# Allegro board 20210324_notecarrier-m2-al_v20.brd (continued)
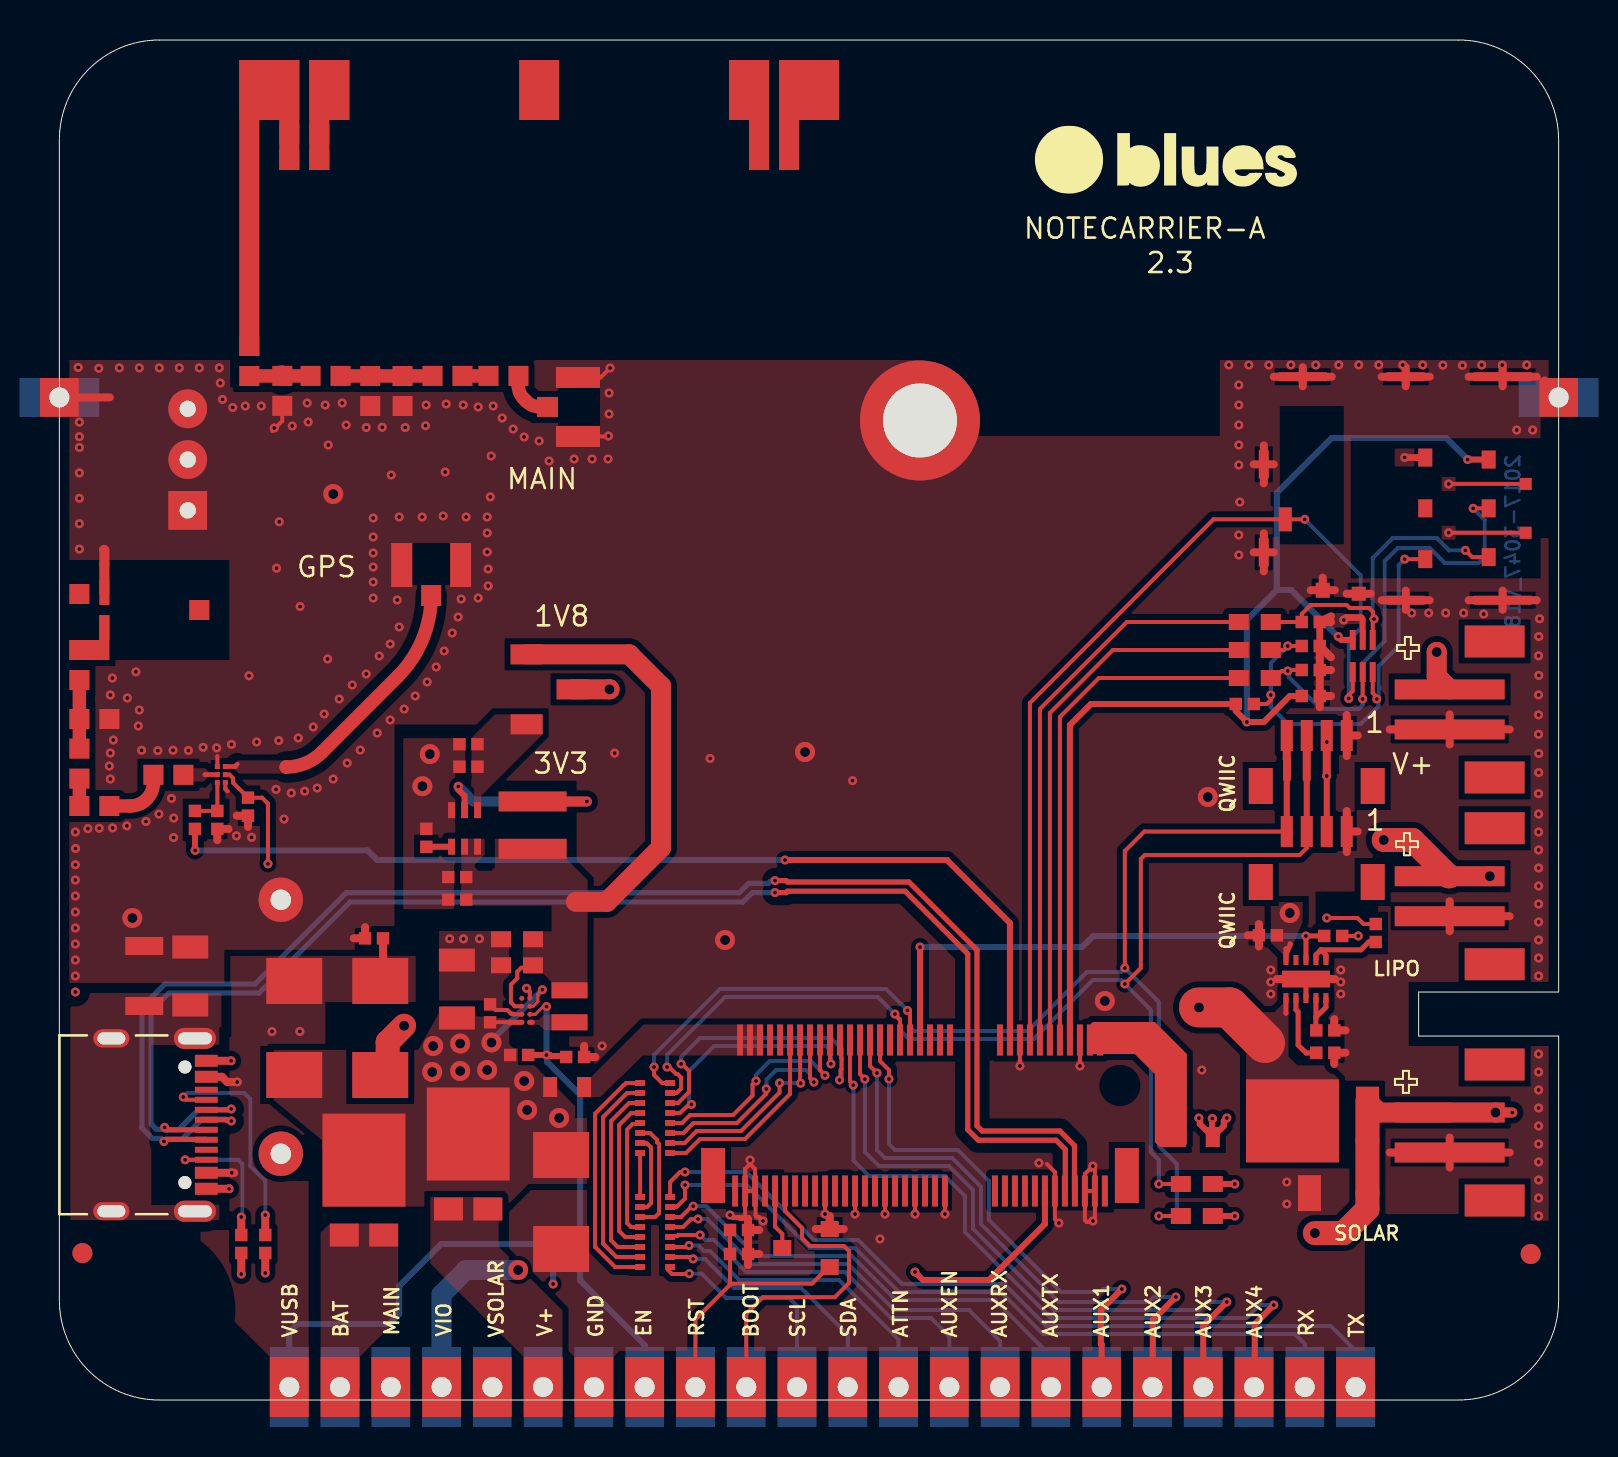
[diagram p0: board, top side]
## Routing (per net, layer and track width the routed paths; a pad name or vN(x,y) marks a point on that pad's centre or on a via; arc(x,y) is an arc through that point) (continued)
N17096550: length 17.1
  TOP w0.2: v1(70.33,42.48) 70.67,42.14 J5.3 ; R14.2 C18.1 62.15,39.3 62.6,39.75 64.4,39.75 64.55,39.6 65.52,39.6 65.72,39.4 65.72,39.12 65.65,39.05 ; v1(65.77,39.05) 65.7,39.05 65.65,39.05 ; TVS2.1 65.7,39 65.65,39.05 65.65,39.05
  BOTTOM w0.2: v1(70.33,42.48) 69.52,42.48 68.9,43.1 66.7,43.1 65.7,42.1 65.7,39.05 v1(65.77,39.05)
N17180171: length 10.8
  TOP w0.3: v1(19.96,30.68) 19.96,30.51 20.27,30.2 U2.2
  TOP w0.5: 23.67,29.93 L1.1 v1(26.39,29.93)
  BOTTOM w0.5: v1(26.39,29.93) 20.71,29.93 v1(19.96,30.68)
N17180221: length 0.1
  TOP w0.25: U1.A1 23.66,18.89
N17180308: length 1.3
  TOP w0.3: U2.4 18.36,27.66 R4.2
N17224639: length 7.8
  TOP w0.2: DS5.1 16.05,16.3
  TOP w0.25: U3.1 61.36,19.34 61.36,19.34
  TOP w1.2: v2(17.24,18.71) 16.42,17.89 16.42,16.72 16.05,16.35 16.05,16.3
  TOP w2: 60.31,17.84 58.53,19.63 v2(57.01,19.63)
N17224757: length 3.5
  TOP w0.25: R9.2 62.86,17.35 62.37,17.35 61.97,17.75 61.97,19.4 61.86,19.51 U3.2
N17224773: length 2.8
  TOP w0.25: 62.88,19.16 62.86,19.14 62.86,18.5 R10.2 ; 62.88,19.16 63.36,19.64 U3.5 ; 62.88,19.16 62.86,19.17 U3.4
N17224777: length 4.1
  TOP w0.25: 63.11,22.51 63.36,22.26 U3.6 ; 63.11,22.51 62.86,22.26 U3.7 ; 63.11,22.51 65.11,22.51 65.5,22.9 R8.1
N17281739: length 3.5
  TOP w0.68: ANT1.2 L6.1 C25.2
N17321884: length 11.9
  TOP w0.2: J11.A5 6.34,15.01 v1(6.2,15.15)
  TOP w0.4: R33.1 v1(10.3,9.25)
  BOTTOM w0.2: v1(10.3,9.25) 10.3,10.95 9.55,11.7 9.55,15.05 9.25,15.35 6.4,15.35 v1(6.2,15.15)
N17321887: length 7.6
  TOP w0.2: J11.B5 v1(6.29,12.01)
  TOP w0.4: R32.1 v1(9.1,9.15)
  BOTTOM w0.2: v1(9.1,9.15) 9.15,9.2 9.15,11.8 8.94,12.01 v1(6.29,12.01)

## Copper pours and planes (outline as drawn; the poured copper is in the pictures)
+1V8 on TOP: 19.84,28.06 25.36,28.06 25.37,28.06 25.37,27.06 25.37,27.06 26.43,25.99 26.43,25.96 26.43,25.95 26.43,23.21 26.42,23.21 26.42,20.09 24.62,20.09 24.62,20.89 24.19,21.34 23.19,21.34 23.19,23.43 24.63,23.43 24.63,24.71 19.84,24.71 ; 1 cut-out
+3V3 on TOP: 20.75,29.09 20.75,30.55 20.6,30.69 20.6,33.1 21.79,34.28 24.17,34.28 24.17,33.28 21.85,30.96 21.1,30.21 21.1,29.09
GND on TOP: 19.37,33.09 20.32,33.09 20.32,31.36 19.8,31.36 19.8,24.54 17.2,24.54 17.2,33.09 19.37,33.09
GND on TOP: 18.99,23.45 22.49,23.45 22.49,19.97 22.18,19.97 22.18,19.46 21.24,19.46 21.24,19.97 18.99,19.97
GND on TOP: 8.54,52.69 10.49,52.69 10.49,52.69 8.55,52.69 8.55,50.63 22.1,50.63 22.1,50.4 22.65,50.4 22.65,52 74.5,52 74.5,50.1 74.1,50.1 74.1,43.1 74.5,43.1 74.5,20.9 67.5,20.9 67.5,17.7 74.5,17.7 74.5,8.96 70.84,8.96 70.84,5.88 74.5,5.88 74.5,5 73.33,1.97 70.42,0.52 70.42,8.93 70.18,8.93 70.18,9.29 65.32,9.29 65.32,8.93 65.3,8.93 65.3,0.5 28.39,0.5 28.39,2.15 28.2,2.15 28.27,2.22 28.27,2.26 28.34,2.33 28.34,2.44 28.33,2.45 28.02,2.45 27.72,2.15 27.71,2.15 27.71,0.5 25.77,0.5 25.77,2.15 25.76,2.16 25.47,2.45 25.47,2.16 25.39,2.16 25.39,2.14 25.29,2.14 25.29,0.5 12.89,0.5 12.89,2.12 22.28,2.12 22.28,7.56 22.49,7.56 22.49,9.49 22,9.49 22,9.38 12.89,9.38 12.89,15.34 14.57,15.34 14.57,18.75 14.86,18.75 14.86,18.58 16.14,18.58 16.14,19.47 18.69,19.47 18.69,19.44 22.9,19.44 22.9,23.74 24.33,23.74 24.33,24.41 21.59,24.41 21.59,26.58 25.87,26.58 25.87,30.96 21.59,30.96 21.59,33.77 16.77,33.77 16.77,24.12 16.77,24.12 16.77,20.85 16.04,20.85 16.04,20.84 14.86,20.84 14.86,20.55 13.91,20.55 13.89,20.55 13.88,20.53 13.82,20.48 13.79,20.52 13.75,20.54 13.71,20.55 12.75,20.55 12.75,20.9 11.75,20.9 11.75,20.73 11.56,20.54 10.9,20.54 10.9,18.75 11.62,18.75 12.46,17.31 8.06,17.31 8.06,19.63 0.5,19.63 0.5,20.07 0.5,52 8.54,52 ; 8 cut-outs
GND on BOTTOM: 0.5,52 74.45,52 74.45,20.9 67.5,20.9 67.5,17.7 74.45,17.7 74.45,8.78 70.4,8.78 70.4,4.71 66.23,4.71 66.23,2.93 65.46,2.93 65.46,0.5 29.35,0.5 29.35,2.48 27.33,4.5 27.33,12.07 27.04,12.36 25.88,12.36 25.88,11.98 18.74,4.84 18.74,1.13 19.37,0.5 10.45,0.5 10.45,2.93 8.81,2.93 8.81,3.91 4.09,3.91 4.09,0.59 1.56,2.1 0.5,4.85 4.91,4.85 4.91,8.88 0.5,8.88 ; 2 cut-outs
GND on GND: 22.65,52 74.5,52 74.5,20.9 67.5,20.9 67.5,17.7 74.5,17.7 74.5,5 73.18,1.82 70,0.5 69,0.5 69,2.4 67.03,2.4 67.03,2.45 65.49,2.45 65.49,2.4 63.7,2.4 63.7,0.5 28.31,0.5 28.31,2.15 27.71,2.15 27.71,0.5 25.78,0.5 25.78,2.16 25.77,2.16 25.48,2.45 25.08,2.45 25.08,2.38 25.3,2.16 25.38,2.16 25.38,0.5 10.73,0.5 10.73,2.45 6.69,2.45 6.69,0.5 5,0.5 1.82,1.82 0.5,5 0.5,36.87 0.5,36.87 0.5,30.42 2.15,30.42 2.15,37.5 2.5,37.5 2.5,37.54 1.5,37.54 1.5,37.5 1.03,37.5 1.03,37.5 0.5,37.5 0.5,52 8.65,52 8.65,50.68 8.7,50.63 22.65,50.63 ; 2 cut-outs
GND on POWER: 7.62,52 27.87,52 27.87,46.61 23.89,46.61 24.45,46.05 24.45,39.5 15.28,30.33 15.28,27.62 0.5,27.62 0.5,37.54 12.89,37.54 14.6,39.25 14.6,46.61 7.62,46.61 ; 2 cut-outs
VBAT on TOP: 60.6,24.9 60.6,23.98 60.6,23.98 60.6,22.88 61.23,22.25 61.23,21.75 61.48,21.75 61.48,22.25 62.02,23.48 62.2,23.9 62.2,24.9
VBAT on TOP: 13.53,8.82 16.95,8.82 16.95,4.09 15.01,2.15 15.01,0.5 13.07,0.5 13.07,8.36
VBAT on POWER: 9.52,13.57 9.52,11.31 9.92,10.92 14.91,10.92 15.32,11.32 15.32,17.61 16.35,18.65 16.35,21.5 16.34,21.52 16.64,21.82 57.89,21.82 58.4,22.33 58.4,22.33 59.81,23.8 63.42,23.8 66.85,26.51 66.85,28.7 56.9,28.7 52.4,24.2 15.51,24.2 12.78,21.47 12.78,16.05 10.5,13.77 9.73,13.77
GPS_50 on TOP: 11.49,31.98 11.49,31.32 8.97,31.32 8.75,31.55 8.18,31.55 8.18,31.8 8.74,31.8 8.93,31.98
GPS_50_A on TOP: 8.03,31.4 8.03,31.15 7.43,31.15 7.21,30.93 5.7,30.93 5.7,31.59 7.29,31.59 7.49,31.4
GPS_50_E on TOP (solid shape): 2.5,37 0.5,37 0.5,38 2,38 2,39.25 2.5,39.25
LTE_50_D on TOP (solid shape): 12,61.5 11,61.5 11,64 10,64 10,52.2 9,52.2 9,67 12,67
USB_SHIELD on TOP: 8,18.65 8,9 0.55,9 0.55,19.61 0.55,20.35 8.1,20.35 8.1,18.65 ; 1 cut-out
V+ on TOP: 25.17,4.48 21.98,7.67 21.98,10.15 18.56,10.15 18.56,6.82 23.23,2.15 23.23,0.5 25.17,0.5
VIO on POWER: 16,52 73.31,52 73.31,35.03 73.32,35.03 73.32,31.49 73.31,31.49 73.31,20.9 66.25,20.9 66.25,5.59 73.31,5.59 73.31,5.54 74.5,5.54 74.5,5 74.36,3.89 73.95,2.84 66.16,2.84 66.16,8.6 65.61,8.6 65.75,8.74 65.77,8.76 65.77,8.78 65.77,8.87 65.75,8.91 65.72,8.92 63.69,8.92 63.66,8.92 63.64,8.9 63.59,8.81 63.59,8.78 63.64,8.69 63.67,8.6 63.6,8.6 63.6,7.6 63.53,7.48 63.44,7.38 62.79,6.73 62.78,6.72 62.78,6.7 62.78,6.6 62.79,6.57 62.83,6.55 63.54,6.55 63.56,6.55 63.58,6.57 63.6,6.59 63.6,2.84 15.62,2.84 15.62,10.03 14.46,10.03 14.46,2.84 13.35,2.84 13.35,5.72 12.09,5.72 7.23,5.74 4.51,7.46 4.51,8.79 1.25,8.79 1.25,8.83 1.25,8.83 1.25,19.93 1.25,19.93 1.25,27.1 16,27.1 ; 3 cut-outs
VIO_P on TOP (solid shape): 56.4,17.3 56.4,12.8 56.25,12.65 55.05,12.65 54.8,12.9 54.8,16.3 53.8,17.3 51.6,17.3 51.6,18.8 51.7,18.9 54.8,18.9
VMAIN on TOP: 19.17,19.67 20.79,19.67 20.79,19.19 21.24,19.19 21.86,19.19 21.86,19.19 22.49,19.19 22.68,19.01 22.69,19.01 23.13,19.01 23.13,18.76 22.69,18.76 22.5,18.59 22.5,17.8 22.7,17.6 23.52,17.6 23.52,16.98 24.35,16.15 24.9,16.15 24.9,15.6 25.8,14.7 25.8,14.1 26.7,14.1 26.72,10.8 23.47,10.8 22.34,9.67 13.16,9.67 13.14,12.99 10.72,14.99 10.72,17.51 16.75,17.51 17.95,17.51
VMAIN on POWER: 15.61,17.48 16.47,17.48 16.47,17.5 27.3,17.5 27.3,11.4 24.9,9 21.1,9 21.1,4.4 61.78,4.24 61.78,4.99 62.95,4.99 62.95,6.25 63.2,6.25 63.2,3.86 59.48,3.86 59.46,3.85 59.44,3.83 59.39,3.75 59.39,3.72 59.39,3.71 59.43,3.62 59.44,3.52 59.01,3.09 58.59,3.52 58.6,3.62 58.63,3.71 58.64,3.72 58.64,3.75 58.59,3.83 58.57,3.85 58.54,3.86 56.9,3.86 56.88,3.85 56.86,3.83 56.8,3.75 56.8,3.72 56.81,3.71 56.84,3.62 56.86,3.52 56.43,3.09 56.01,3.52 56.02,3.62 56.05,3.71 56.06,3.72 56.06,3.75 56,3.83 55.98,3.85 55.96,3.86 54.38,3.86 54.36,3.85 54.34,3.83 54.28,3.75 54.28,3.72 54.29,3.71 54.32,3.62 54.33,3.53 53.9,3.1 53.48,3.53 53.49,3.62 53.52,3.71 53.53,3.72 53.52,3.75 53.47,3.83 53.45,3.85 53.43,3.86 51.87,3.86 51.84,3.85 51.82,3.83 51.77,3.75 51.77,3.72 51.77,3.71 51.8,3.62 51.81,3.53 51.39,3.1 50.96,3.53 50.97,3.62 51.01,3.71 51.01,3.72 51.01,3.75 50.96,3.83 50.94,3.85 50.91,3.86 23.41,3.86 23.39,3.85 23.37,3.84 22.58,3.05 22.57,3.04 22.57,3.02 22.57,2.82 22.58,2.79 22.61,2.77 63.2,2.77 15.61,2.77
VMODEM_P on TOP: 25.9,15.15 27.1,15.15 29.18,17.23 35.2,17.23 35.2,18.78 29.23,18.78 26.6,16.15 25.9,16.15
VUSB on TOP: 8.55,22.21 17.82,22.21 17.82,19.89 13.3,19.89 13.3,9.86 12.85,10.28 12.92,10.28 12.92,10.94 12.91,10.95 13.15,10.95 13.15,13.25 11.46,13.25 11.46,10.95 12.47,10.95 12.47,10.63 12.47,0.51 10.53,0.51 10.53,2.15 7.06,5.62 7.06,10.44 6.21,11.3 6.21,18.12 8.47,18.12 8.55,18.2
VUSB on POWER: 10.2,19.09 12.78,19.09 12.78,16.45 9.53,13.21 9.53,11.28 12.47,8.34 12.47,0.65 10.53,0.65 10.53,2.15 7.02,5.64 7.02,15.9
N17180221 on TOP: 23.53,19.01 23.53,18.76 23.54,18.76 23.98,18.76 24.26,18.48 26.42,18.48 26.42,19.29 24.26,19.29 23.98,19.01
N17224639 on TOP: 59.36,11.88 64.01,11.88 64.01,16.03 63.31,16.74 61.93,16.74 61.49,17.17 61.48,19.55 61.48,20.35 61.23,20.35 61.23,19.85 60.78,19.39 59.66,19.39 59.36,19.1
N17224639 on POWER: 16.65,21.53 58.01,21.53 58.01,18.69 27.3,18.69 27.3,17.78 16.65,17.78 16.65,18.69 16.65,18.69
N17281748 on TOP (solid shape): 14.5,64 13.5,64 13.5,61.5 12.5,61.5 12.5,67 14.5,67
N17281883 on TOP (solid shape): 35.5,61.5 34.5,61.5 34.5,64 33.5,64 33.5,67 35.5,67
N17281892 on TOP (solid shape): 39,64 37,64 37,61.5 36,61.5 36,67 39,67

## Text on the board
BOTTOM: 2017-3047_V18
Ref Des/Silkscreen Top: SOLAR | LIPO | VUSB | BAT | MAIN | VIO | VSOLAR | V+ | GND | EN | RST | BOOT | SCL | SDA | ATTN | AUXEN | AUXRX | AUXTX | AUX1 | AUX2 | AUX3 | QWIIC | AUX4 | RX | TX | GPS | 3V3 | 1V8 | NOTECARRIER-A | 2.3
XSECTION_CHART: *  SURFACE - AIR 0 MM | * SOLDERMASK_TOP MASK - SOLDERMASK 0.02 MM | L1 TOP CONDUCTOR - COPPER 0.035 MM | *  DIELECTRIC - FR-4 0.4 MM | L2 GND PLANE - COPPER 0.035 MM | *  DIELECTRIC - FR-4 0.6 MM | L3 POWER PLANE - COPPER 0.035 MM | L4 BOTTOM CONDUCTOR - COPPER 0.035 MM | * SOLDERMASK_BOTTOM MASK - SOLDERMASK 0.02 MM | DESIGN CROSS SECTION CHART | ___________________________ | TOTAL THICKNESS 1.58 MM | 1-4
PAGE_OUTLINE: TOP and BOTTOM thickness layer shown in the image above contains +20um (from IPC-A-600 Class 2) of plating | TOP | BOTTOM | 0.67 | 0.26 | - | 0.2 | 50 ohm | NA | 90 ohm | +/- 10% | Blues Inc
User.9: FIGURE | FINISHED SIZE | 0.2 | 0.5 | 0.81 | 1.0 | 1.02 | 3.7 | 0.65 | 1.1 | 1.6 | 3.3 | 1.4x0.6 | 1.7x0.6 | ALL UNITS ARE IN MILLIMETERS | TOLERANCE | +0.075/-0.075 | +0.0/-0.0 | +0.1/-0.1 | TYPE | PLATED | NON-PLATED | QTY | 327 | 25 | 3 | 44 | 2 | 1 | 4 | DRILL CHART: TOP to BOTTOM
